# Altium PCB PCB_3U_DAC.PCBDOC (part 7 of 9)
Units mm, origin at the board's own origin, x right, y up, seen from the top; angles counter-clockwise.
Board outline 186.91 x 200.1 mm, 4 copper layers (TopLayer, Internal Plane 2, Signal Layer 1, BottomLayer), stack 1.563 mm thick; 822 components, 563 nets, 2611 pads, 820 vias.
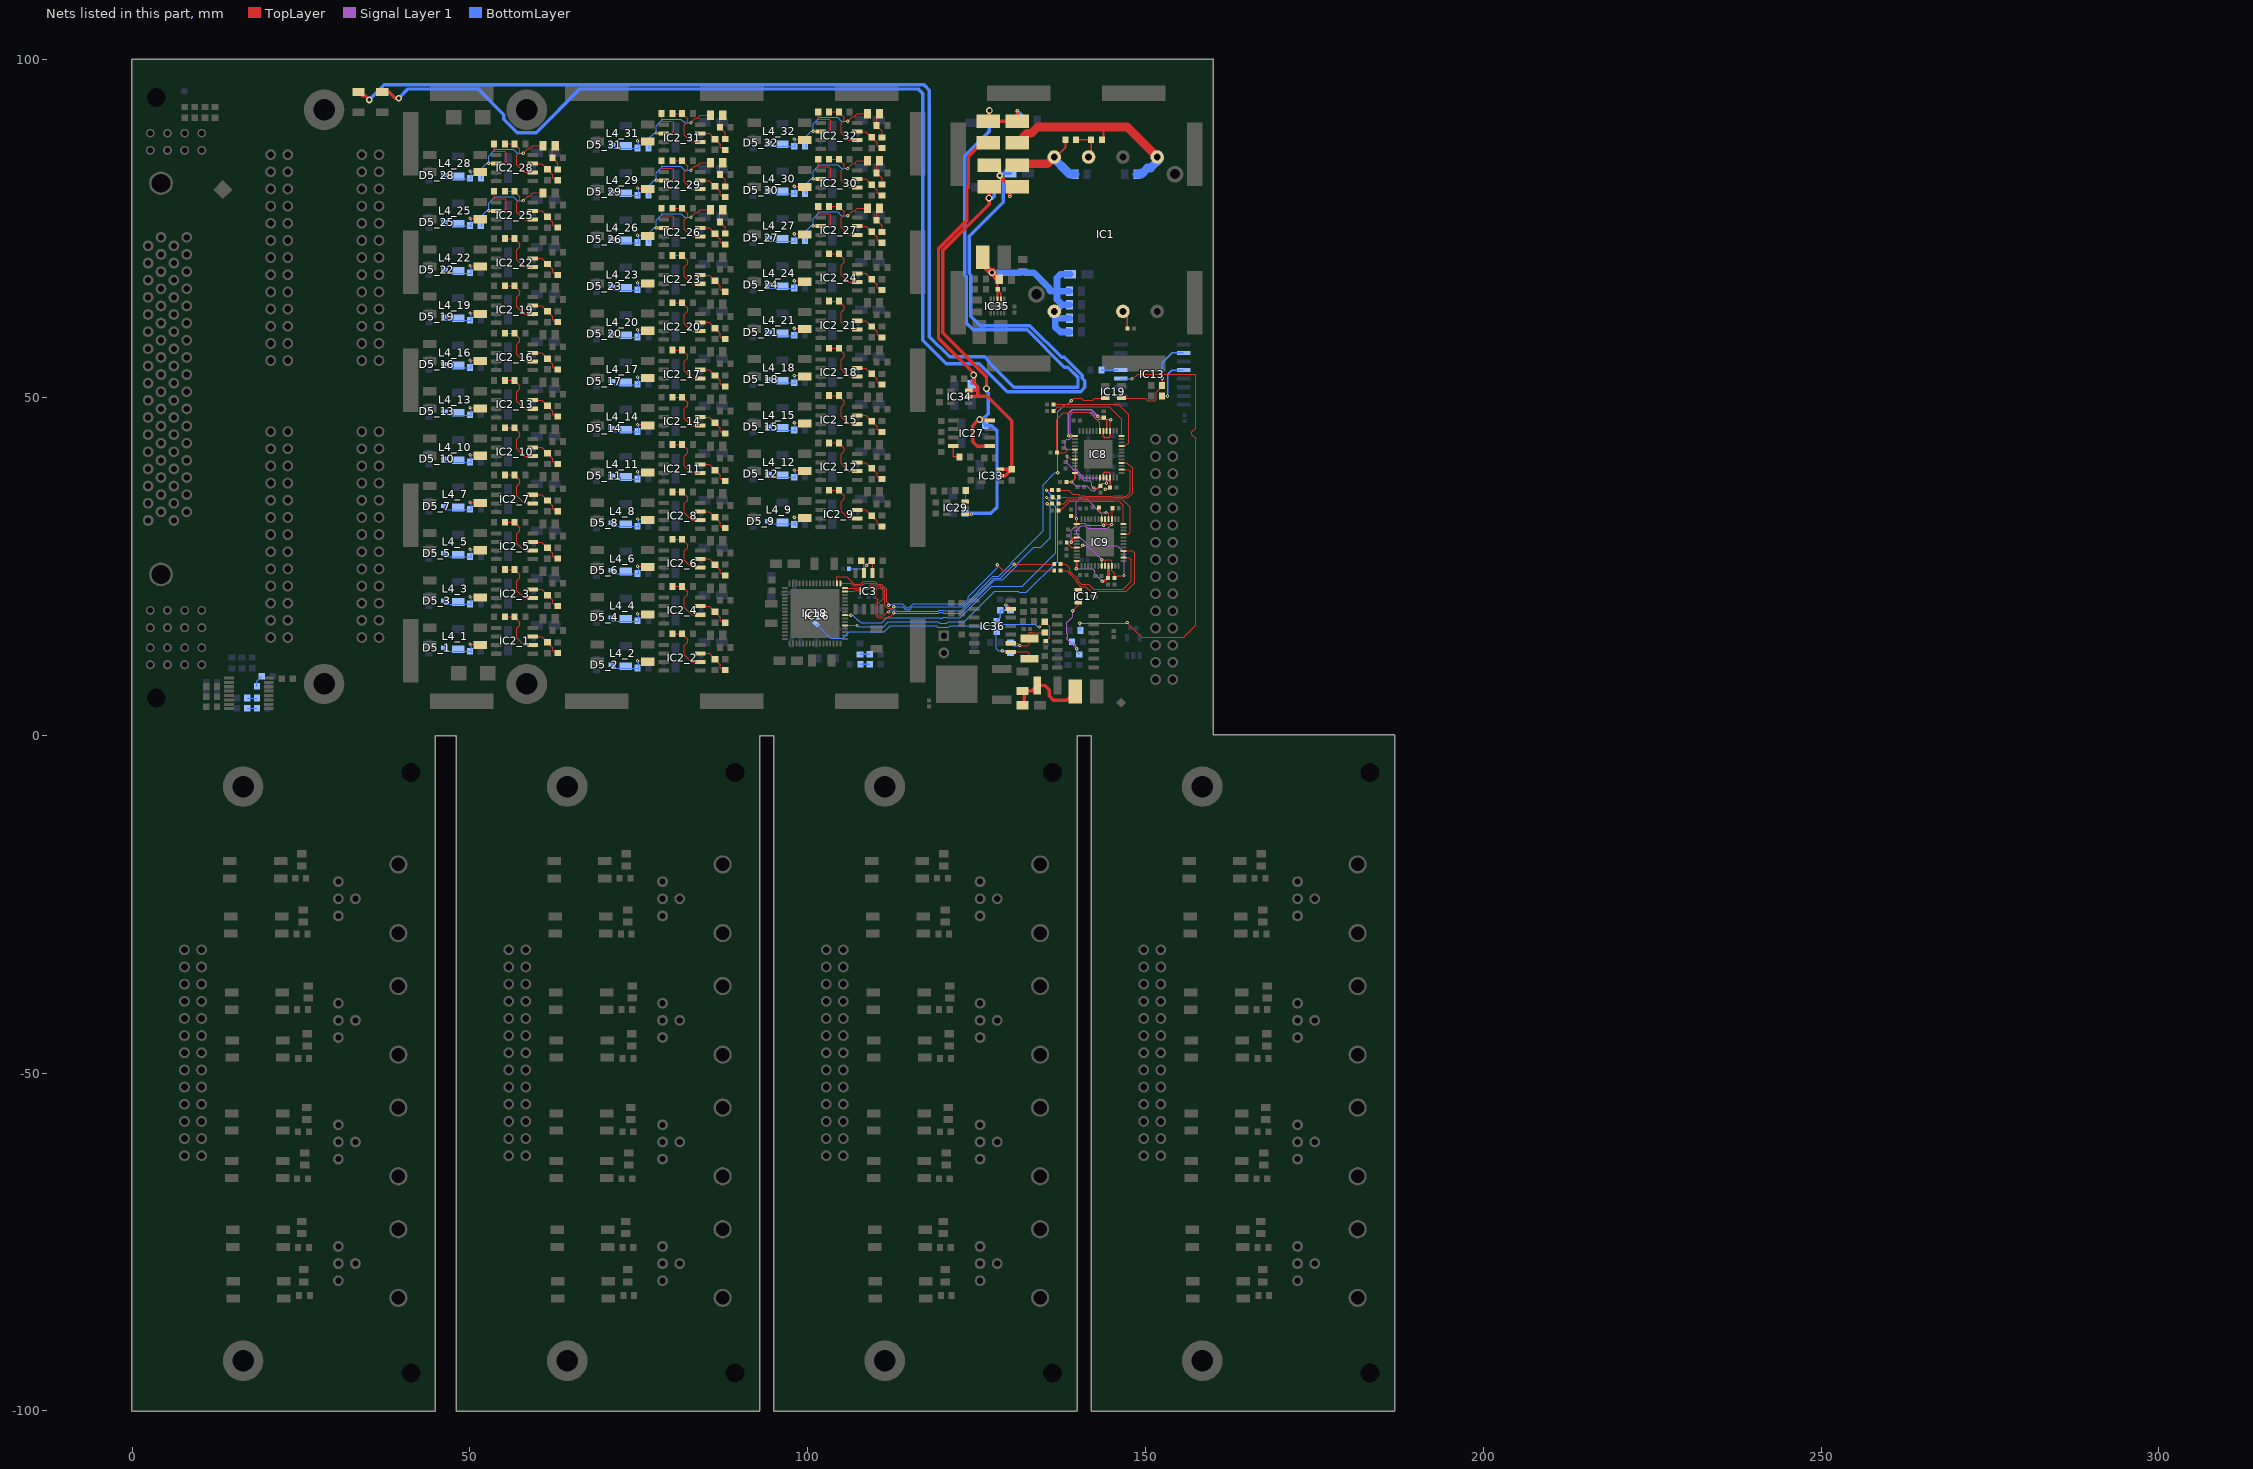
[diagram p9: the nets of this part, all layers, seen from the top]

## Via types
v1: diameter 0.5, hole 0.2, TopLayer to BottomLayer, tented both sides, 685 vias
v2: diameter 0.6, hole 0.3, TopLayer to BottomLayer, tented both sides, 105 vias
v3: diameter 1, hole 0.5, TopLayer to BottomLayer, tented both sides, 21 vias
v4: diameter 1, hole 0.6, TopLayer to BottomLayer, tented both sides, 9 vias

## Nets (pads, with @x,y where several pads share a name; then routed paths per layer and width w, separated by ;. In a path a pad name is that pad's centre, name@x,y a point inside that pad or via, vN(x,y) a via of type N, cw(c..) or ccw(c..) an arc to the next point about the centre after c; other vN are vias at no path point) (continued)
NetC56_25_2: C56_25.2 IC2_25.6 R39_25.1 R67_25.2 | length 20.1
  TopLayer w0.152: v1(52.796,77.651) 53.861,77.651 IC2_25.6@53.907,77.605 55.052,77.605 55.377,77.93 55.377,79.207 55.159,79.425 53.635,79.425 53.556,79.504 R67_25.2@53.556,80.526 ; v1(57.912,79.155) 58.58,79.823 58.866,79.823 59.315,80.272 C56_25.2@60.822,80.272
  BottomLayer w0.152: R39_25.1@51.763,75.306 51.763,76.917 52.497,77.651 v1(52.796,77.651) 52.796,78.744 53.772,79.72 56.429,79.72 56.994,79.155 v1(57.912,79.155)
NetC56_26_1: C56_26.1 R24_26.2 R25_26.1 | length 4
  TopLayer w0.152: C56_26.1@87.422,77.772 86.992,77.342 R24_26.2@86.992,75.994 87.792,75.194 R25_26.1@87.792,74.254
NetC56_26_2: C56_26.2 IC2_26.6 R39_26.1 R67_26.2 | length 20.1
  TopLayer w0.152: v1(77.596,75.151) 78.661,75.151 IC2_26.6@78.707,75.105 79.852,75.105 80.177,75.43 80.177,76.707 79.959,76.925 78.435,76.925 78.356,77.004 R67_26.2@78.356,78.026 ; v1(82.712,76.655) 83.38,77.323 83.666,77.323 84.115,77.772 C56_26.2@85.622,77.772
  BottomLayer w0.152: R39_26.1@76.563,72.806 76.563,74.417 77.297,75.151 v1(77.596,75.151) 77.596,76.244 78.572,77.22 81.229,77.22 81.794,76.655 v1(82.712,76.655)
NetC56_27_1: C56_27.1 R24_27.2 R25_27.1 | length 4
  TopLayer w0.152: C56_27.1@110.622,78.022 110.192,77.592 R24_27.2@110.192,76.244 110.992,75.444 R25_27.1@110.992,74.504
NetC56_27_2: C56_27.2 IC2_27.6 R39_27.1 R67_27.2 | length 20.1
  TopLayer w0.152: v1(100.796,75.401) 101.861,75.401 IC2_27.6@101.907,75.355 103.052,75.355 103.377,75.68 103.377,76.957 103.159,77.175 101.635,77.175 101.556,77.254 R67_27.2@101.556,78.276 ; v1(105.912,76.905) 106.58,77.573 106.866,77.573 107.315,78.022 C56_27.2@108.822,78.022
  BottomLayer w0.152: R39_27.1@99.763,73.056 99.763,74.667 100.497,75.401 v1(100.796,75.401) 100.796,76.494 101.772,77.47 104.429,77.47 104.994,76.905 v1(105.912,76.905)
NetC56_28_1: C56_28.1 R24_28.2 R25_28.1 | length 4
  TopLayer w0.152: C56_28.1@62.622,87.272 62.192,86.842 R24_28.2@62.192,85.494 62.992,84.694 R25_28.1@62.992,83.754
NetC56_28_2: C56_28.2 IC2_28.6 R39_28.1 R67_28.2 | length 20.1
  TopLayer w0.152: v1(52.796,84.651) 53.861,84.651 IC2_28.6@53.907,84.605 55.052,84.605 55.377,84.93 55.377,86.207 55.159,86.425 53.635,86.425 53.556,86.504 R67_28.2@53.556,87.526 ; v1(57.912,86.155) 58.58,86.823 58.866,86.823 59.315,87.272 C56_28.2@60.822,87.272
  BottomLayer w0.152: R39_28.1@51.763,82.306 51.763,83.917 52.497,84.651 v1(52.796,84.651) 52.796,85.744 53.772,86.72 56.429,86.72 56.994,86.155 v1(57.912,86.155)
NetC56_29_1: C56_29.1 R24_29.2 R25_29.1 | length 4
  TopLayer w0.152: C56_29.1@87.422,84.772 86.992,84.342 R24_29.2@86.992,82.994 87.792,82.194 R25_29.1@87.792,81.254
NetC56_29_2: C56_29.2 IC2_29.6 R39_29.1 R67_29.2 | length 20.1
  TopLayer w0.152: v1(77.596,82.151) 78.661,82.151 IC2_29.6@78.707,82.105 79.852,82.105 80.177,82.43 80.177,83.707 79.959,83.925 78.435,83.925 78.356,84.004 R67_29.2@78.356,85.026 ; v1(82.712,83.655) 83.38,84.323 83.666,84.323 84.115,84.772 C56_29.2@85.622,84.772
  BottomLayer w0.152: R39_29.1@76.563,79.806 76.563,81.417 77.297,82.151 v1(77.596,82.151) 77.596,83.244 78.572,84.22 81.229,84.22 81.794,83.655 v1(82.712,83.655)
NetC56_30_1: C56_30.1 R24_30.2 R25_30.1 | length 4
  TopLayer w0.152: C56_30.1@110.622,85.022 110.192,84.592 R24_30.2@110.192,83.244 110.992,82.444 R25_30.1@110.992,81.504
NetC56_30_2: C56_30.2 IC2_30.6 R39_30.1 R67_30.2 | length 20.1
  TopLayer w0.152: v1(100.796,82.401) 101.861,82.401 IC2_30.6@101.907,82.355 103.052,82.355 103.377,82.68 103.377,83.957 103.159,84.175 101.635,84.175 101.556,84.254 R67_30.2@101.556,85.276 ; v1(105.912,83.905) 106.58,84.573 106.866,84.573 107.315,85.022 C56_30.2@108.822,85.022
  BottomLayer w0.152: R39_30.1@99.763,80.056 99.763,81.667 100.497,82.401 v1(100.796,82.401) 100.796,83.494 101.772,84.47 104.429,84.47 104.994,83.905 v1(105.912,83.905)
NetC56_31_1: C56_31.1 R24_31.2 R25_31.1 | length 4
  TopLayer w0.152: C56_31.1@87.422,91.772 86.992,91.342 R24_31.2@86.992,89.994 87.792,89.194 R25_31.1@87.792,88.254
NetC56_31_2: C56_31.2 IC2_31.6 R39_31.1 R67_31.2 | length 20.1
  TopLayer w0.152: v1(77.596,89.151) 78.661,89.151 IC2_31.6@78.707,89.105 79.852,89.105 80.177,89.43 80.177,90.707 79.959,90.925 78.435,90.925 78.356,91.004 R67_31.2@78.356,92.026 ; v1(82.712,90.655) 83.38,91.323 83.666,91.323 84.115,91.772 C56_31.2@85.622,91.772
  BottomLayer w0.152: R39_31.1@76.563,86.806 76.563,88.417 77.297,89.151 v1(77.596,89.151) 77.596,90.244 78.572,91.22 81.229,91.22 81.794,90.655 v1(82.712,90.655)
NetC56_32_1: C56_32.1 R24_32.2 R25_32.1 | length 4
  TopLayer w0.152: C56_32.1@110.622,92.022 110.192,91.592 R24_32.2@110.192,90.244 110.992,89.444 R25_32.1@110.992,88.504
NetC56_32_2: C56_32.2 IC2_32.6 R39_32.1 R67_32.2 | length 20.1
  TopLayer w0.152: v1(100.796,89.401) 101.861,89.401 IC2_32.6@101.907,89.355 103.052,89.355 103.377,89.68 103.377,90.957 103.159,91.175 101.635,91.175 101.556,91.254 R67_32.2@101.556,92.276 ; v1(105.912,90.905) 106.58,91.573 106.866,91.573 107.315,92.022 C56_32.2@108.822,92.022
  BottomLayer w0.152: R39_32.1@99.763,87.056 99.763,88.667 100.497,89.401 v1(100.796,89.401) 100.796,90.494 101.772,91.47 104.429,91.47 104.994,90.905 v1(105.912,90.905)
NetC58_1: C58.1 IC36.1 R53.2 R57.1 | length 9.8
  TopLayer w0.127: v1(128.813,12.531) 128.996,12.348 IC36.1@130.08,12.348 132.496,12.348 132.813,12.031 C58.1@132.813,11.324
  BottomLayer w0.127: R57.1@127.986,15.326 127.921,15.261 127.921,12.795 128.185,12.531 v1(128.813,12.531) 129.639,12.531 R53.2@130.019,12.151
NetC58_2: C58.2 IC36.2 R52.2 R53.1 | length 8.5
  TopLayer w0.127: IC36.2@130.08,13.618 130.976,13.618 v1@131.313,13.281 ; v1@131.394,13.281 132.563,13.281 132.813,13.531 C58.2@132.813,14.324 132.813,15.215 133.228,15.215 ; 133.121,15.199 R52.2@135.099,15.199
  BottomLayer w0.127: R53.1@130.019,13.751 130.486,13.284 v1(131.394,13.284)
NetC59_2: C59.2 IC36.6 R54.2 R57.2 | length 5.4
  TopLayer w0.203: v1(129.312,19.281) 129.497,19.281 IC36.6@130.08,18.698
  BottomLayer w0.203: R57.2@127.986,16.926 128.495,17.434 C59.2@128.495,18.501 R54.2@130.019,18.501 129.312,19.207 v1(129.312,19.281)
NetC61_1_2: C61_1.2 IC2_1.3 R25_1.2 | length 5
  TopLayer w0.152: IC2_1.3@59.307,14.605 60.617,14.605 C61_1.2@61.468,13.754 62.268,12.954 62.268,12.52 62.634,12.154 R25_1.2@62.992,12.154
NetC61_2_2: C61_2.2 IC2_2.3 R25_2.2 | length 5
  TopLayer w0.152: IC2_2.3@84.107,12.105 85.417,12.105 87.068,10.454 87.068,10.02 87.434,9.654 R25_2.2@87.792,9.654
NetC61_3_2: C61_3.2 IC2_3.3 R25_3.2 | length 5
  TopLayer w0.152: IC2_3.3@59.307,21.605 60.617,21.605 62.268,19.954 62.268,19.52 62.634,19.154 R25_3.2@62.992,19.154
NetC61_4_2: C61_4.2 IC2_4.3 R25_4.2 | length 5
  TopLayer w0.152: IC2_4.3@84.107,19.105 85.417,19.105 87.068,17.454 87.068,17.02 87.434,16.654 R25_4.2@87.792,16.654
NetC61_5_2: C61_5.2 IC2_5.3 R25_5.2 | length 5
  TopLayer w0.152: IC2_5.3@59.307,28.605 60.617,28.605 C61_5.2@61.468,27.754 62.268,26.954 62.268,26.52 62.634,26.154 R25_5.2@62.992,26.154
NetC61_6_2: C61_6.2 IC2_6.3 R25_6.2 | length 5
  TopLayer w0.152: IC2_6.3@84.107,26.105 85.417,26.105 87.068,24.454 87.068,24.02 87.434,23.654 R25_6.2@87.792,23.654
NetC61_7_2: C61_7.2 IC2_7.3 R25_7.2 | length 5
  TopLayer w0.152: IC2_7.3@59.307,35.605 60.617,35.605 62.268,33.954 62.268,33.52 62.634,33.154 R25_7.2@62.992,33.154
NetC61_8_2: C61_8.2 IC2_8.3 R25_8.2 | length 5
  TopLayer w0.152: IC2_8.3@84.107,33.105 85.417,33.105 C61_8.2@86.268,32.254 87.068,31.454 87.068,31.02 87.434,30.654 R25_8.2@87.792,30.654
NetC61_9_2: C61_9.2 IC2_9.3 R25_9.2 | length 5
  TopLayer w0.152: IC2_9.3@107.307,33.355 108.617,33.355 C61_9.2@109.468,32.504 110.268,31.704 110.268,31.27 110.634,30.904 R25_9.2@110.992,30.904
NetC61_10_2: C61_10.2 IC2_10.3 R25_10.2 | length 5
  TopLayer w0.152: IC2_10.3@59.307,42.605 60.617,42.605 62.268,40.954 62.268,40.52 62.634,40.154 R25_10.2@62.992,40.154
NetC61_11_2: C61_11.2 IC2_11.3 R25_11.2 | length 5
  TopLayer w0.152: IC2_11.3@84.107,40.105 85.417,40.105 87.068,38.454 87.068,38.02 87.434,37.654 R25_11.2@87.792,37.654
NetC61_12_2: C61_12.2 IC2_12.3 R25_12.2 | length 5
  TopLayer w0.152: IC2_12.3@107.307,40.355 108.617,40.355 C61_12.2@109.468,39.504 110.268,38.704 110.268,38.27 110.634,37.904 R25_12.2@110.992,37.904
NetC61_13_2: C61_13.2 IC2_13.3 R25_13.2 | length 5
  TopLayer w0.152: IC2_13.3@59.307,49.605 60.617,49.605 C61_13.2@61.468,48.754 62.268,47.954 62.268,47.52 62.634,47.154 R25_13.2@62.992,47.154
NetC61_14_2: C61_14.2 IC2_14.3 R25_14.2 | length 5
  TopLayer w0.152: IC2_14.3@84.107,47.105 85.417,47.105 87.068,45.454 87.068,45.02 87.434,44.654 R25_14.2@87.792,44.654
NetC61_15_2: C61_15.2 IC2_15.3 R25_15.2 | length 5
  TopLayer w0.152: IC2_15.3@107.307,47.355 108.617,47.355 C61_15.2@109.468,46.504 110.268,45.704 110.268,45.27 110.634,44.904 R25_15.2@110.992,44.904
NetC61_16_2: C61_16.2 IC2_16.3 R25_16.2 | length 5
  TopLayer w0.152: IC2_16.3@59.307,56.605 60.617,56.605 C61_16.2@61.468,55.754 62.268,54.954 62.268,54.52 62.634,54.154 R25_16.2@62.992,54.154
NetC61_17_2: C61_17.2 IC2_17.3 R25_17.2 | length 5
  TopLayer w0.152: IC2_17.3@84.107,54.105 85.417,54.105 C61_17.2@86.268,53.254 87.068,52.454 87.068,52.02 87.434,51.654 R25_17.2@87.792,51.654
NetC61_18_2: C61_18.2 IC2_18.3 R25_18.2 | length 5
  TopLayer w0.152: IC2_18.3@107.307,54.355 108.617,54.355 110.268,52.704 110.268,52.27 110.634,51.904 R25_18.2@110.992,51.904
NetC61_19_2: C61_19.2 IC2_19.3 R25_19.2 | length 5
  TopLayer w0.152: IC2_19.3@59.307,63.605 60.617,63.605 62.268,61.954 62.268,61.52 62.634,61.154 R25_19.2@62.992,61.154
NetC61_20_2: C61_20.2 IC2_20.3 R25_20.2 | length 5
  TopLayer w0.152: IC2_20.3@84.107,61.105 85.417,61.105 87.068,59.454 87.068,59.02 87.434,58.654 R25_20.2@87.792,58.654
NetC61_21_2: C61_21.2 IC2_21.3 R25_21.2 | length 5
  TopLayer w0.152: IC2_21.3@107.307,61.355 108.617,61.355 110.268,59.704 110.268,59.27 110.634,58.904 R25_21.2@110.992,58.904
NetC61_22_2: C61_22.2 IC2_22.3 R25_22.2 | length 5
  TopLayer w0.152: IC2_22.3@59.307,70.605 60.617,70.605 C61_22.2@61.468,69.754 62.268,68.954 62.268,68.52 62.634,68.154 R25_22.2@62.992,68.154
NetC61_23_2: C61_23.2 IC2_23.3 R25_23.2 | length 5
  TopLayer w0.152: IC2_23.3@84.107,68.105 85.417,68.105 87.068,66.454 87.068,66.02 87.434,65.654 R25_23.2@87.792,65.654
NetC61_24_2: C61_24.2 IC2_24.3 R25_24.2 | length 5
  TopLayer w0.152: IC2_24.3@107.307,68.355 108.617,68.355 110.268,66.704 110.268,66.27 110.634,65.904 R25_24.2@110.992,65.904
NetC61_25_2: C61_25.2 IC2_25.3 R25_25.2 | length 5
  TopLayer w0.152: IC2_25.3@59.307,77.605 60.617,77.605 62.268,75.954 62.268,75.52 62.634,75.154 R25_25.2@62.992,75.154
NetC61_26_2: C61_26.2 IC2_26.3 R25_26.2 | length 5
  TopLayer w0.152: IC2_26.3@84.107,75.105 85.417,75.105 87.068,73.454 87.068,73.02 87.434,72.654 R25_26.2@87.792,72.654
NetC61_27_2: C61_27.2 IC2_27.3 R25_27.2 | length 5
  TopLayer w0.152: IC2_27.3@107.307,75.355 108.617,75.355 110.268,73.704 110.268,73.27 110.634,72.904 R25_27.2@110.992,72.904
NetC61_28_2: C61_28.2 IC2_28.3 R25_28.2 | length 5
  TopLayer w0.152: IC2_28.3@59.307,84.605 60.617,84.605 62.268,82.954 62.268,82.52 62.634,82.154 R25_28.2@62.992,82.154
NetC61_29_2: C61_29.2 IC2_29.3 R25_29.2 | length 5
  TopLayer w0.152: IC2_29.3@84.107,82.105 85.417,82.105 87.068,80.454 87.068,80.02 87.434,79.654 R25_29.2@87.792,79.654
NetC61_30_2: C61_30.2 IC2_30.3 R25_30.2 | length 5
  TopLayer w0.152: IC2_30.3@107.307,82.355 108.617,82.355 110.268,80.704 110.268,80.27 110.634,79.904 R25_30.2@110.992,79.904
NetC61_31_2: C61_31.2 IC2_31.3 R25_31.2 | length 5
  TopLayer w0.152: IC2_31.3@84.107,89.105 85.417,89.105 87.068,87.454 87.068,87.02 87.434,86.654 R25_31.2@87.792,86.654
NetC61_32_2: C61_32.2 IC2_32.3 R25_32.2 | length 5
  TopLayer w0.152: IC2_32.3@107.307,89.355 108.617,89.355 110.268,87.704 110.268,87.27 110.634,86.904 R25_32.2@110.992,86.904
NetC62_1_2: C62_1.2 D5_1.3 L4_1.1 R39_1.2 | length 7.6
  TopLayer w0.152: v1(50.005,13.508) 51.419,13.508 L4_1.1@51.546,13.381
  BottomLayer w0.152: D5_1.3@46.213,13.206 D5_1.3@46.213,12.931 46.213,12.5 46.305,12.408 47.209,12.408 47.211,12.406 50.063,12.406 50.163,12.306 50.163,13.351 v1(50.005,13.508)
NetC62_2_2: C62_2.2 D5_2.3 L4_2.1 R39_2.2 | length 7.6
  TopLayer w0.152: v1(74.805,11.008) 76.219,11.008 L4_2.1@76.346,10.881
  BottomLayer w0.152: D5_2.3@71.013,10.706 71.013,10 71.105,9.908 72.009,9.908 72.011,9.906 74.863,9.906 74.963,9.806 74.963,10.851 v1(74.805,11.008)
NetC62_3_2: C62_3.2 D5_3.3 L4_3.1 R39_3.2 | length 7.6
  TopLayer w0.152: v1(50.005,20.508) 51.419,20.508 L4_3.1@51.546,20.381
  BottomLayer w0.152: D5_3.3@46.213,20.206 D5_3.3@46.213,19.931 46.213,19.5 46.305,19.408 47.209,19.408 47.211,19.406 50.063,19.406 50.163,19.306 50.163,20.351 v1(50.005,20.508)
NetC62_4_2: C62_4.2 D5_4.3 L4_4.1 R39_4.2 | length 7.6
  TopLayer w0.152: v1(74.805,18.008) 76.219,18.008 L4_4.1@76.346,17.881
  BottomLayer w0.152: D5_4.3@71.013,17.706 D5_4.3@71.013,17.431 71.013,17 71.105,16.908 72.009,16.908 72.011,16.906 74.863,16.906 74.963,16.806 74.963,17.851 v1(74.805,18.008)
NetC62_5_2: C62_5.2 D5_5.3 L4_5.1 R39_5.2 | length 7.6
  TopLayer w0.152: v1(50.005,27.508) 51.419,27.508 L4_5.1@51.546,27.381
  BottomLayer w0.152: D5_5.3@46.213,27.206 D5_5.3@46.213,26.931 46.213,26.5 46.305,26.408 47.209,26.408 47.211,26.406 50.063,26.406 50.163,26.306 50.163,27.351 v1(50.005,27.508)
NetC62_6_2: C62_6.2 D5_6.3 L4_6.1 R39_6.2 | length 7.6
  TopLayer w0.152: v1(74.805,25.008) 76.219,25.008 L4_6.1@76.346,24.881
  BottomLayer w0.152: D5_6.3@71.013,24.706 D5_6.3@71.013,24.431 71.013,24 71.105,23.908 72.009,23.908 72.011,23.906 74.863,23.906 74.963,23.806 74.963,24.851 v1(74.805,25.008)
NetC62_7_2: C62_7.2 D5_7.3 L4_7.1 R39_7.2 | length 7.6
  TopLayer w0.152: v1(50.005,34.508) 51.419,34.508 L4_7.1@51.546,34.381
  BottomLayer w0.152: D5_7.3@46.213,34.206 D5_7.3@46.213,33.931 46.213,33.5 46.305,33.408 47.209,33.408 47.211,33.406 50.063,33.406 50.163,33.306 50.163,34.351 v1(50.005,34.508)
NetC62_8_2: C62_8.2 D5_8.3 L4_8.1 R39_8.2 | length 7.6
  TopLayer w0.152: v1(74.805,32.008) 76.219,32.008 L4_8.1@76.346,31.881
  BottomLayer w0.152: D5_8.3@71.013,31.706 71.013,31 71.105,30.908 72.009,30.908 72.011,30.906 74.863,30.906 74.963,30.806 74.963,31.851 v1(74.805,32.008)
NetC62_9_2: C62_9.2 D5_9.3 L4_9.1 R39_9.2 | length 7.6
  TopLayer w0.152: v1(98.005,32.258) 99.419,32.258 L4_9.1@99.546,32.131
  BottomLayer w0.152: D5_9.3@94.213,31.956 94.213,31.314 97.905,31.314 98.163,31.056 98.163,32.101 v1(98.005,32.258)
NetC62_10_2: C62_10.2 D5_10.3 L4_10.1 R39_10.2 | length 7.6
  TopLayer w0.152: v1(50.005,41.508) 51.419,41.508 L4_10.1@51.546,41.381
  BottomLayer w0.152: D5_10.3@46.213,41.206 46.213,40.5 46.305,40.408 47.209,40.408 47.211,40.406 50.063,40.406 50.163,40.306 50.163,41.351 v1(50.005,41.508)
NetC62_11_2: C62_11.2 D5_11.3 L4_11.1 R39_11.2 | length 7.6
  TopLayer w0.152: v1(74.805,39.008) 76.219,39.008 L4_11.1@76.346,38.881
  BottomLayer w0.152: D5_11.3@71.013,38.706 71.013,38 71.105,37.908 72.009,37.908 72.011,37.906 74.863,37.906 74.963,37.806 74.963,38.851 v1(74.805,39.008)
NetC62_12_2: C62_12.2 D5_12.3 L4_12.1 R39_12.2 | length 7.6
  TopLayer w0.152: v1(98.005,39.258) 99.419,39.258 L4_12.1@99.546,39.131
  BottomLayer w0.152: D5_12.3@94.213,38.956 94.213,38.25 94.305,38.158 95.209,38.158 95.211,38.156 98.063,38.156 98.163,38.056 98.163,39.101 v1(98.005,39.258)
NetC62_13_2: C62_13.2 D5_13.3 L4_13.1 R39_13.2 | length 7.6
  TopLayer w0.152: v1(50.005,48.508) 51.419,48.508 L4_13.1@51.546,48.381
  BottomLayer w0.152: D5_13.3@46.213,48.206 46.213,47.5 46.305,47.408 47.209,47.408 47.211,47.406 50.063,47.406 50.163,47.306 50.163,48.351 v1(50.005,48.508)
NetC62_14_2: C62_14.2 D5_14.3 L4_14.1 R39_14.2 | length 7.6
  TopLayer w0.152: v1(74.805,46.008) 76.219,46.008 L4_14.1@76.346,45.881
  BottomLayer w0.152: D5_14.3@71.013,45.706 71.013,45 71.105,44.908 72.009,44.908 72.011,44.906 74.863,44.906 74.963,44.806 74.963,45.851 v1(74.805,46.008)
NetC62_15_2: C62_15.2 D5_15.3 L4_15.1 R39_15.2 | length 7.6
  TopLayer w0.152: v1(98.005,46.258) 99.419,46.258 L4_15.1@99.546,46.131
  BottomLayer w0.152: D5_15.3@94.213,45.956 94.213,45.25 94.305,45.158 95.209,45.158 95.211,45.156 98.063,45.156 98.163,45.056 98.163,46.101 v1(98.005,46.258)
NetC62_16_2: C62_16.2 D5_16.3 L4_16.1 R39_16.2 | length 7.6
  TopLayer w0.152: v1(50.005,55.508) 51.419,55.508 L4_16.1@51.546,55.381
  BottomLayer w0.152: D5_16.3@46.213,55.206 46.213,54.5 46.305,54.408 47.209,54.408 47.211,54.406 50.063,54.406 50.163,54.306 50.163,55.351 v1(50.005,55.508)
NetC62_17_2: C62_17.2 D5_17.3 L4_17.1 R39_17.2 | length 7.6
  TopLayer w0.152: v1(74.805,53.008) 76.219,53.008 L4_17.1@76.346,52.881
  BottomLayer w0.152: D5_17.3@71.013,52.706 71.013,52 71.105,51.908 72.009,51.908 72.011,51.906 74.863,51.906 74.963,51.806 74.963,52.851 v1(74.805,53.008)
NetC62_18_2: C62_18.2 D5_18.3 L4_18.1 R39_18.2 | length 7.6
  TopLayer w0.152: v1(98.005,53.258) 99.419,53.258 L4_18.1@99.546,53.131
  BottomLayer w0.152: D5_18.3@94.213,52.956 94.213,52.25 94.305,52.158 95.209,52.158 95.211,52.156 98.063,52.156 98.163,52.056 98.163,53.101 v1(98.005,53.258)
NetC62_19_2: C62_19.2 D5_19.3 L4_19.1 R39_19.2 | length 7.6
  TopLayer w0.152: v1(50.005,62.508) 51.419,62.508 L4_19.1@51.546,62.381
  BottomLayer w0.152: D5_19.3@46.213,62.206 D5_19.3@46.213,61.931 46.213,61.5 46.305,61.408 47.209,61.408 47.211,61.406 50.063,61.406 50.163,61.306 50.163,62.351 v1(50.005,62.508)
NetC62_20_2: C62_20.2 D5_20.3 L4_20.1 R39_20.2 | length 7.6
  TopLayer w0.152: v1(74.805,60.008) 76.219,60.008 L4_20.1@76.346,59.881
  BottomLayer w0.152: D5_20.3@71.013,59.706 71.013,59 71.105,58.908 72.009,58.908 72.011,58.906 74.863,58.906 74.963,58.806 74.963,59.851 v1(74.805,60.008)
NetC62_21_2: C62_21.2 D5_21.3 L4_21.1 R39_21.2 | length 7.6
  TopLayer w0.152: v1(98.005,60.258) 99.419,60.258 L4_21.1@99.546,60.131
  BottomLayer w0.152: D5_21.3@94.213,59.956 94.213,59.25 94.305,59.158 95.209,59.158 95.211,59.156 98.063,59.156 98.163,59.056 98.163,60.101 v1(98.005,60.258)
NetC62_22_2: C62_22.2 D5_22.3 L4_22.1 R39_22.2 | length 7.6
  TopLayer w0.152: v1(50.005,69.508) 51.419,69.508 L4_22.1@51.546,69.381
  BottomLayer w0.152: D5_22.3@46.213,69.206 D5_22.3@46.213,68.931 46.213,68.5 46.305,68.408 47.209,68.408 47.211,68.406 50.063,68.406 50.163,68.306 50.163,69.351 v1(50.005,69.508)
NetC62_23_2: C62_23.2 D5_23.3 L4_23.1 R39_23.2 | length 7.6
  TopLayer w0.152: v1(74.805,67.008) 76.219,67.008 L4_23.1@76.346,66.881
  BottomLayer w0.152: D5_23.3@71.013,66.706 71.013,66 71.105,65.908 72.009,65.908 72.011,65.906 74.863,65.906 74.963,65.806 74.963,66.851 v1(74.805,67.008)
NetC62_24_2: C62_24.2 D5_24.3 L4_24.1 R39_24.2 | length 7.6
  TopLayer w0.152: v1(98.005,67.258) 99.419,67.258 L4_24.1@99.546,67.131
  BottomLayer w0.152: D5_24.3@94.213,66.956 94.213,66.25 94.305,66.158 95.209,66.158 95.211,66.156 98.063,66.156 98.163,66.056 98.163,67.101 v1(98.005,67.258)
NetC62_25_2: C62_25.2 D5_25.3 L4_25.1 R39_25.2 | length 7.6
  TopLayer w0.152: v1(50.005,76.508) 51.419,76.508 L4_25.1@51.546,76.381
  BottomLayer w0.152: D5_25.3@46.213,76.206 46.213,75.5 46.305,75.408 47.209,75.408 47.211,75.406 50.063,75.406 50.163,75.306 50.163,76.351 v1(50.005,76.508)